# Allegro board FEE5_10_30.brd (continued)
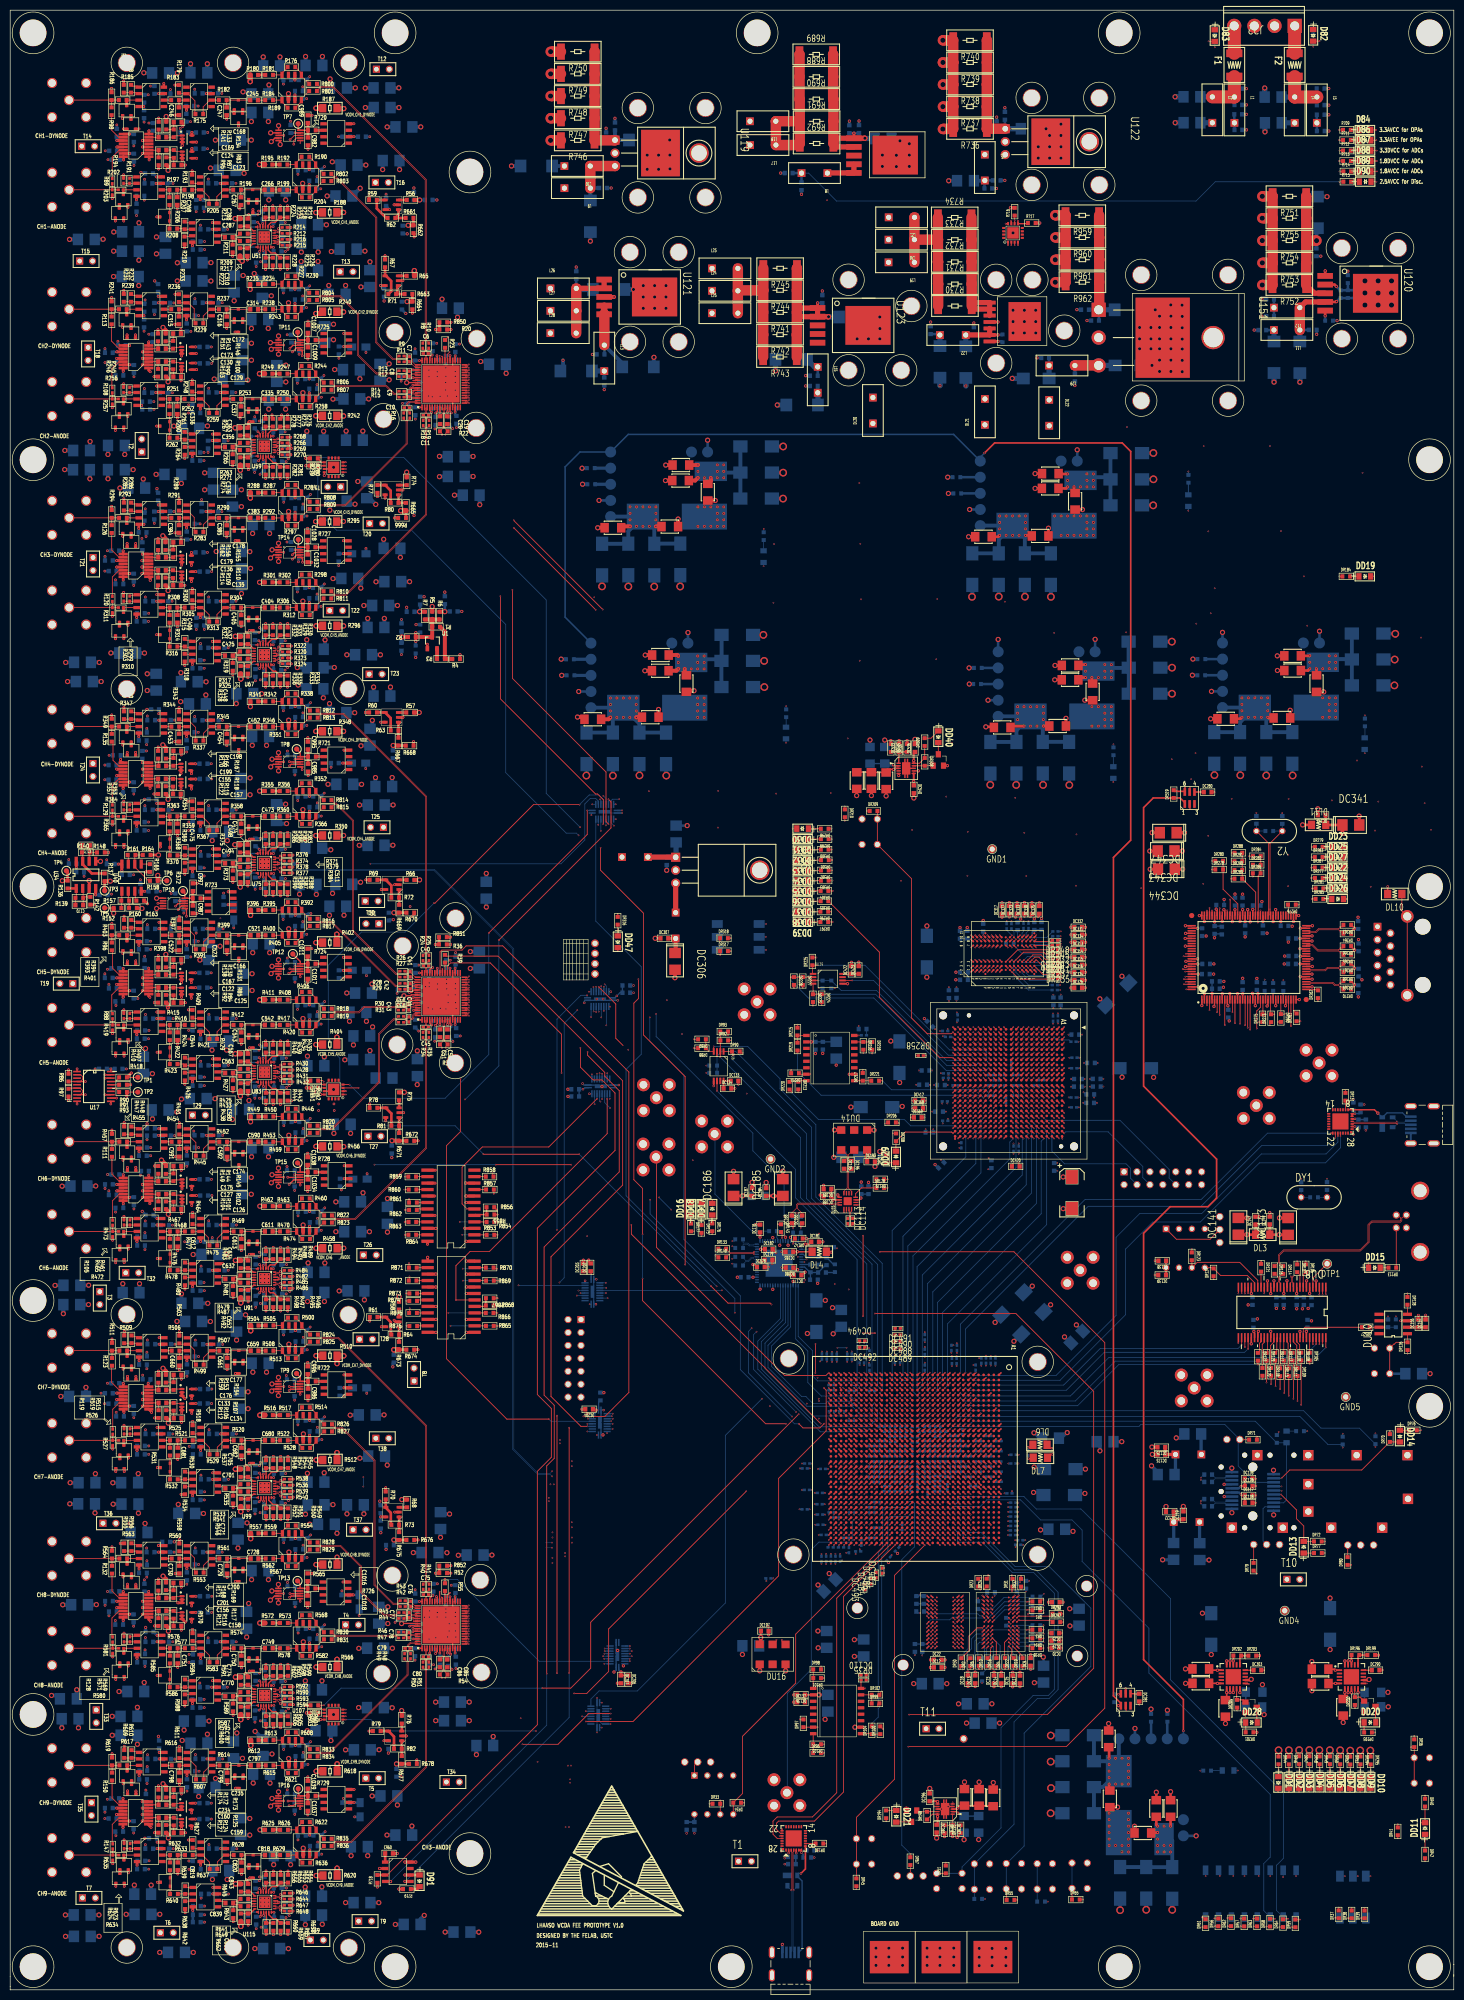
[diagram p0: board, top side]
## Nets (continued)
VBUS_5V_A7_USB_UART: DJ10.1(VBUS) DU11.8(VBUS) DX1.2
VBUS_5V_A7_USB_UART2: DJ11.1(VBUS) DU12.8(VBUS) DX2.2
VCC1V0: DC30.1 DC31.1 DC32.1 DC38.1 DC39.1 DC40.1 DC41.1 DC42.1 DC43.1 DC44.1 DC45.1 DC46.1 DC51.1 DC52.1 DC53.1 DC69.1 DC70.1 DC71.1 DC72.1 DC73.1 DC74.1 DC79.1 DC80.1 DC81.1 DC82.1 DC214.1 DC215.1 DC216.1 DC217.1 DC218.1 DC219.1 DC347.1 DC348.1 DC349.1 DC354.2 DC355.2 DC358.2 DC359.2 DC424.1 DC425.1 DC426.1 DC427.1 DC428.1 DC429.1 DC430.1 DC431.1 DC432.1 DC433.1 DC434.1 DC435.1 DC436.1 DC437.1 DC438.1 DC439.1 DC440.1 DC441.1 DC442.1 DC443.1 DC444.1 DC445.1 DC446.1 DC447.1 DC454.1 DC455.1 DC456.1 DC457.1 DC458.1 DC459.1 DC460.1 DC461.1 DC462.1 DC463.1 DC464.1 DC465.1 DC466.1 DC467.1 DC468.1 DC469.1 DC470.1 DC471.1 DR180.2 DR310.1 DU4.AA15(VCCINT32) DU4.AA17(VCCINT33) DU4.AA19(VCCINT34) DU4.AA21(VCCBRAM10) DU4.AB14(VCCINT35) DU4.AB16(VCCINT36) DU4.AB18(VCCINT37) DU4.AB20(VCCBRAM11) DU4.AC15(VCCINT38) DU4.AC17(VCCINT39) DU4.AC19(VCCINT40) DU4.AC21(VCCBRAM12) DU4.AD14(VCCINT41) DU4.AD16(VCCINT42) DU4.AD18(VCCINT43) DU4.AD20(VCCINT44) DU4.AD22(VCCINT45) DU4.AE15(VCCINT46) DU4.AE17(VCCINT47) DU4.AE19(VCCINT48) DU4.AE21(VCCINT49) DU4.K14(VCCINT1) DU4.K16(VCCINT2) DU4.K18(VCCINT3) DU4.K20(VCCINT4) DU4.L15(VCCINT5) DU4.L17(VCCINT6) DU4.L19(VCCINT7) DU4.L21(VCCINT8) DU4.M14(VCCINT9) DU4.M16(VCCINT10) DU4.M18(VCCINT11) DU4.M20(VCCBRAM1) DU4.N15(VCCINT12) DU4.N17(VCCINT13) DU4.N19(VCCINT14) DU4.N21(VCCBRAM2) DU4.P14(VCCINT15) DU4.P16(VCCINT16) DU4.P18(VCCINT17) DU4.P20(VCCBRAM3) DU4.R15(VCCINT18) DU4.R17(VCCINT19) DU4.R19(VCCINT20) DU4.R21(VCCBRAM4) DU4.T14(VCCINT21) DU4.T16(VCCINT22) DU4.T20(VCCBRAM5) DU4.U15(VCCINT23) DU4.U19(VCCINT24) DU4.U21(VCCBRAM6) DU4.V14(VCCINT25) DU4.V16(VCCINT26) DU4.V20(VCCBRAM7) DU4.W15(VCCINT27) DU4.W19(VCCINT28) DU4.W21(VCCBRAM8) DU4.Y14(VCCINT29) DU4.Y16(VCCINT30) DU4.Y18(VCCINT31) DU4.Y20(VCCBRAM9) DU25.5(VO) DU25.6(+SENCE) DU31.5(SENSE) DU41.2(DVDD_2) DU41.6(DVDD_6) DU41.12(DVDD_12) DU41.17(DVDD_17) DU41.23(DVDD_23) DU41.27(DVDD_27) DU41.78(DVDD_78) DU41.85(DVDD_85) DU41.90(DVDD_90) DU41.96(DVDD_96) DU41.117(DVDD_117) DU41.118(DVDD_118)
VCC1V2: DC272.1 DC273.1 DC276.1 DC277.1 DC278.1 DC279.1 DC366.2 DC367.2 DC368.2 DC369.2 DC370.2 DC371.2 DC372.2 DC373.2 DC374.2 DC375.2 DC376.2 DC377.2 DC378.1 DR190.2 DR313.1 DU30.5(VO) DU30.6(+SENCE) DU37.J8(VCCINT _J8) DU37.J10(VCCINT _J10) DU37.J12(VCCINT _J12) DU37.J14(VCCINT _J14) DU37.K9(VCCINT _K9) DU37.K11(VCCINT _K11) DU37.K13(VCCINT _K13) DU37.L10(VCCINT _L10) DU37.L12(VCCINT _L12) DU37.L14(VCCINT _L14) DU37.M9(VCCINT _M9) DU37.M11(VCCINT _M11) DU37.M13(VCCINT _M13) DU37.N10(VCCINT _N10) DU37.N12(VCCINT _N12) DU37.N14(VCCINT _N14) DU37.P9(VCCINT _P9) DU37.P11(VCCINT _P11) DU37.P13(VCCINT _P13) DU37.R14(VCCINT _R14)
VCC1V5: DC2.2 DC3.2 DC4.2 DC5.2 DC6.1 DC7.2 DC8.2 DC9.2 DC10.2 DC11.1 DC104.1 DC105.1 DC106.1 DC107.1 DC108.1 DC109.1 DC250.1 DC251.1 DC252.1 DC253.1 DC254.1 DC255.1 DC284.1 DC285.1 DC291.1 DC292.1 DC297.1 DC298.1 DC318.1 DC319.1 DC320.1 DC321.1 DC322.1 DC328.1 DC329.1 DC388.1 DC389.2 DC390.2 DC391.2 DC392.2 DC393.2 DC396.2 DC397.2 DC404.2 DC521.1 DC522.1 DC523.1 DC524.1 DC525.1 DC526.1 DC527.1 DC528.1 DC534.1 DC535.1 DR186.2 DR195.1 DR306.1 DR312.1 DSW3.3 DSW3.4 DSW4.3 DSW4.4 DSW5.3 DSW5.4 DSW6.3 DSW6.4 DSW7.9(B8) DSW7.10(B7) DSW7.11(B6) DSW7.12(B5) DSW7.13(B4) DSW7.14(B3) DSW7.15(B2) DSW7.16(B1) DSW8.3 DSW8.4 DSW9.3 DSW9.4 DU1.A2(VDD1) DU1.A9(VDD2) DU1.B9(VDDQ1) DU1.C1(VDDQ2) DU1.D7(VDD3) DU1.E2(VDDQ3) DU1.E9(VDDQ4) DU1.G2(VDD4) DU1.G8(VDD5) DU1.K1(VDD6) DU1.K9(VDD7) DU1.M1(VDD8) DU1.M9(VDD9) DU2.A2(VDD1) DU2.A9(VDD2) DU2.B9(VDDQ1) DU2.C1(VDDQ2) DU2.D7(VDD3) DU2.E2(VDDQ3) DU2.E9(VDDQ4) DU2.G2(VDD4) DU2.G8(VDD5) DU2.K1(VDD6) DU2.K9(VDD7) DU2.M1(VDD8) DU2.M9(VDD9) DU4.G33(VCCO_16_1) DU4.H30(VCCO_16_2) DU4.J27(VCCO_16_3) DU4.K24(VCCO_16_4) DU4.K34(VCCO_16_5) DU4.L31(VCCO_16_6) DU4.M28(VCCO_15_1) DU4.N25(VCCO_15_2) DU4.P32(VCCO_15_3) DU4.R29(VCCO_15_4) DU4.T26(VCCO_15_5) DU4.U33(VCCO_15_6) DU28.5(VO) DU28.6(+SENCE) DU33.5(IN1) DU33.6(IN2) DU33.7(IN3) DU33.8(IN4) DU34.2(VLDOIN) DU35.5(IN1) DU35.6(IN2) DU35.7(IN3) DU35.8(IN4) DU37.C2(VCCO_3 _C2) DU37.F4(VCCO_3 _F4) DU37.G2(VCCO_3 _G2) DU37.J5(VCCO_3 _J5) DU37.L2(VCCO_3 _L2) DU37.L7(VCCO_3 _L7) DU37.N5(VCCO_3 _N5) DU37.R2(VCCO_3 _R2) DU37.U5(VCCO_3 _U5) DU37.W2(VCCO_3 _W2) DU40.A1(VDDQ1) DU40.A8(VDDQ2) DU40.B2(VDD1) DU40.C1(VDDQ3) DU40.C9(VDDQ4) DU40.D2(VDDQ5) DU40.D9(VDD2) DU40.E9(VDDQ6) DU40.F1(VDDQ7) DU40.G7(VDD3) DU40.H2(VDDQ8) DU40.H9(VDDQ9) DU40.K2(VDD4) DU40.K8(VDD5) DU40.N1(VDD6) DU40.N9(VDD7) DU40.R1(VDD8) DU40.R9(VDD9) DU43.2(VLDOIN)
VCC1V8: DC54.1 DC55.1 DC56.1 DC57.1 DC58.1 DC59.1 DC87.1 DC88.1 DC238.1 DC239.1 DC240.1 DC241.1 DC242.1 DC243.1 DC448.1 DC449.1 DC450.1 DC451.1 DC452.1 DC453.1 DC472.1 DC473.1 DC474.1 DC475.1 DC476.1 DC477.1 DC478.1 DC479.1 DC480.1 DC481.1 DC482.1 DC483.1 DL7.2 DR185.2 DR314.1 DU4.AA13(VCCAUX18) DU4.AA23(VCCAUX19) DU4.AB12(VCCAUX20) DU4.AB22(VCCAUX21) DU4.AC13(VCCAUX22) DU4.AC23(VCCAUX23) DU4.AD12(VCCAUX24) DU4.M22(VCCAUX1) DU4.N13(VCCAUX2) DU4.N23(VCCAUX3) DU4.P12(VCCAUX4) DU4.P22(VCCAUX5) DU4.R13(VCCAUX6) DU4.R23(VCCAUX7) DU4.T12(VCCAUX8) DU4.T22(VCCAUX9) DU4.U13(VCCAUX10) DU4.U23(VCCAUX11) DU4.V12(VCCAUX12) DU4.V22(VCCAUX13) DU4.W13(VCCAUX14) DU4.W23(VCCAUX15) DU4.Y12(VCCAUX16) DU4.Y22(VCCAUX17) DU27.5(VO) DU27.6(+SENCE) DU32.5(SENSE)
VCC2V5: DC64.1 DC65.1 DC66.1 DC67.1 DC83.1 DC84.1 DC85.1 DC86.1 DC89.1 DC90.1 DC261.1 DC263.1 DC264.1 DC265.1 DC266.1 DC267.1 DC343.1 DC344.1 DC345.1 DC346.1 DC350.2 DC351.2 DC352.2 DC353.2 DC361.2 DC362.2 DC363.2 DC364.2 DC379.1 DC380.2 DC381.2 DC382.2 DC383.2 DC384.2 DC385.2 DC386.2 DC387.2 DC394.1 DC395.2 DC398.2 DC399.2 DC400.2 DC401.2 DC402.2 DC403.2 DC405.2 DC509.1 DC510.1 DC511.1 DC512.1 DC513.1 DC514.1 DC515.1 DC516.1 DC517.1 DC518.1 DC519.1 DC520.1 DC531.2 DC532.2 DJ14.2 DL11.2 DL21.1 DR189.2 DR259.2 DR260.2 DR277.1 DR278.1 DR279.1 DR281.1 DR282.1 DR283.1 DR285.1 DR287.1 DR288.1 DR315.1 DU4.AC25(VCCO_13_1) DU4.AD32(VCCO_13_2) DU4.AE29(VCCO_13_3) DU4.AF26(VCCO_13_4) DU4.AG33(VCCO_13_5) DU4.AH30(VCCO_13_6) DU4.AJ2(VCCO_32_1) DU4.AJ27(VCCO_12_1) DU4.AK9(VCCO_32_2) DU4.AK34(VCCO_12_2) DU4.AL6(VCCO_32_3) DU4.AL31(VCCO_12_3) DU4.AM3(VCCO_32_4) DU4.AM28(VCCO_12_4) DU4.AN10(VCCO_32_5) DU4.AN25(VCCO_12_5) DU4.AP7(VCCO_32_6) DU4.AP32(VCCO_12_6) DU29.5(VO) DU29.6(+SENCE) DU37.B4(VCCO_0 _B4) DU37.B19(VCCO_0 _B19) DU37.E17(VCCO_0 _E17) DU37.F6(VCCO_0 _F6) DU37.F11(VCCAUX _F11) DU37.G10(VCCO_0 _G10) DU37.G12(VCCAUX _G12) DU37.G14(VCCO_0 _G14) DU37.H9(VCCAUX _H9) DU37.H15(VCCAUX _H15) DU37.K15(VCCAUX _K15) DU37.L8(VCCAUX _L8) DU37.M15(VCCAUX _M15) DU37.N8(VCCAUX _N8) DU37.R6(VCCAUX _R6) DU37.R10(VCCAUX _R10) DU37.R12(VCCAUX _R12) DU37.U11(VCCAUX _U11) DU37.V6(VCCAUX _V6) DU41.5(VDDO_5) DU41.11(VDDO_11) DU41.30(VDDO_30) DU41.34(VDDOX_34) DU41.71(VDDOX_71) DU41.73(VDDOH_73) DU41.82(CONFIG3) DU41.86(CONFIG2) DU41.89(VDDOH_89) DU41.97(VDDOH_97) DU41.122(VDDO_122)
VCC3V3: DC28.1 DC29.1 DC33.1 DC34.1 DC35.1 DC36.1 DC37.1 DC47.1 DC48.1 DC49.1 DC50.1 DC119.1 DC120.1 DC122.1 DC123.1 DC124.1 DC125.1 DC133.1 DC134.1 DC135.1 DC136.1 DC137.2 DC138.1 DC139.1 DC141.1 DC142.1 DC152.1 DC153.1 DC154.1 DC155.1 DC156.1 DC157.1 DC158.1 DC159.1 DC160.2 DC161.2 DC162.2 DC163.2 DC164.1 DC165.1 DC188.1 DC189.1 DC190.1 DC191.1 DC192.1 DC193.1 DC194.1 DC197.1 DC198.1 DC199.1 DC200.1 DC201.1 DC202.1 DC203.1 DC204.1 DC205.1 DC206.1 DC207.1 DC226.1 DC227.1 DC228.1 DC229.1 DC230.1 DC231.1 DC283.1 DC286.1 DC287.1 DC299.1 DC300.1 DC309.1 DC310.1 DC311.2 DC406.2 DC407.2 DC408.2 DC409.2 DC410.2 DC411.2 DC412.2 DC413.2 DC414.2 DC415.2 DC416.2 DC417.2 DC418.2 DC419.2 DC420.2 DC421.2 DC422.1 DC423.1 DC484.1 DC485.1 DC486.1 DC487.1 DC488.1 DC489.1 DC490.1 DC491.1 DC492.1 DC493.1 DC494.1 DC495.1 DC496.1 DC497.1 DC498.1 DC499.1 DC500.1 DC501.1 DC502.1 DC503.1 DC504.1 DC505.1 DC506.1 DC507.1 DC508.1 DC529.1 DC530.1 DC536.1 DC541.1 DC542.1 DJ1.3 DJ2.2 DJ3.3 DJ9.3 DL1.2 DL2.2 DL3.1 DL20.1 DR33.1 DR34.1 DR36.1 DR40.1 DR41.1 DR70.2 DR71.2 DR72.2 DR73.2 DR74.2 DR75.2 DR76.2 DR77.2 DR78.2 DR79.1 DR80.1 DR89.2 DR93.2 DR95.2 DR96.2 DR97.2 DR98.2 DR99.2 DR100.2 DR105.2 DR123.1 DR124.1 DR126.1 DR128.1 DR130.1 DR131.1 DR178.2 DR181.2 DR193.1 DR194.1 DR198.1 DR200.1 DR201.1 DR204.1 DR206.1 DR208.1 DR209.1 DR210.1 DR213.2 DR214.2 DR215.2 DR216.2 DR217.2 DR224.2 DR228.2 DR230.2 DR308.1 DR309.1 DR311.1 DSW1.4 DSW1.5 DSW1.6 DSW13.4 DSW13.5 DSW13.6 DU3.8(VCC) DU4.AA6(VCCO_34_4) DU4.AA31(VCCO_14_5) DU4.AB3(VCCO_34_5) DU4.AB28(VCCO_14_6) DU4.AC10(VCCO_34_6) DU4.AD7(VCCO_33_1) DU4.AE4(VCCO_33_2) DU4.AF1(VCCO_33_3) DU4.AF11(VCCO_33_4) DU4.AG8(VCCO_33_5) DU4.AH5(VCCO_33_6) DU4.F1(VCCO_36_1) DU4.G8(VCCO_36_2) DU4.H5(VCCO_36_3) DU4.J2(VCCO_36_4) DU4.J12(VCCO_36_5) DU4.K9(VCCO_36_6) DU4.L6(VCCO_36_7) DU4.L13(VCCO_0_1) DU4.M3(VCCO_35_1) DU4.M12(CFGBVS_0) DU4.N10(VCCO_35_2) DU4.P7(VCCO_35_3) DU4.R4(VCCO_35_4) DU4.T1(VCCO_35_5) DU4.T11(VCCO_0_2) DU4.U8(VCCO_35_6) DU4.V5(VCCO_34_1) DU4.V30(VCCO_14_1) DU4.W2(VCCO_34_2) DU4.W27(VCCO_14_2) DU4.Y9(VCCO_34_3) DU4.Y24(VCCO_14_3) DU4.Y34(VCCO_14_4) DU6.8(VCC) DU7.2(VCC) DU8.6(VCC1) DU8.18(VCC2) DU8.24(VCC3) DU8.34(VCC4) DU8.39(VCC5) DU8.50(VCC6) DU9.8(VCC) DU10.2(VCC) DU11.5(VIO) DU11.6(VDD) DU11.7(REGIN) DU12.5(VIO) DU12.6(VDD) DU12.7(REGIN) DU14.1(ST/OE) DU14.6(VDD) DU15.7(VCC1) DU15.14(VCC2) DU16.1(ST/OE) DU16.6(VDD) DU17.20(VCC) DU20.20(VCC) DU21.20(VCC) DU24.20(VCC) DU26.5(VO) DU26.6(+SENCE) DU33.10(BIAS) DU33.11(EN) DU34.7(EN) DU34.10(VIN) DU35.10(BIAS) DU35.11(EN) DU37.AA7(VCCO_2 _AA7) DU37.AA11(VCCO_2 _AA11) DU37.AA15(VCCO_2 _AA15) DU37.AA19(VCCO_2 _AA19) DU37.AB3(VCCO_2 _AB3) DU37.C21(VCCO_1 _C21) DU37.E19(VCCO_1 _E19) DU37.G21(VCCO_1 _G21) DU37.J18(VCCO_1 _J18) DU37.L16(VCCO_1 _L16) DU37.L21(VCCO_1 _L21) DU37.N18(VCCO_1 _N18) DU37.R21(VCCO_1 _R21) DU37.T9(VCCO_2 _T9) DU37.T13(VCCO_2 _T13) DU37.U18(VCCO_1 _U18) DU37.V8(VCCO_2 _V8) DU37.V12(VCCO_2 _V12) DU37.V16(VCCO_2 _V16) DU37.W5(VCCO_2 _W5) DU37.W21(VCCO_1 _W21) DU38.2(VCC) DU39.8(VCC) DU43.7(EN) DU43.10(VIN) DU44.20(VCC) DU45.20(VCC) DU46.20(VCC) U127.1(VDD)
VIN5: DC208.1 DC209.1 DC210.1 DC211.1 DC212.1 DC213.1 DC220.1 DC222.1 DC223.1 DC224.1 DC225.1 DC232.1 DC233.1 DC234.1 DC235.1 DC236.1 DC237.1 DC244.1 DC245.1 DC246.1 DC247.1 DC248.1 DC249.1 DC256.1 DC257.1 DC258.1 DC259.1 DC260.1 DC262.1 DC268.1 DC269.1 DC270.1 DC271.1 DC274.1 DC275.1 DL8.1 DL22.2 DR184.1 DR319.2 DR320.2 DTC221.1 DU25.2(VI) DU25.10(TRACK) DU26.2(VI) DU27.2(VI) DU28.2(VI) DU29.2(VI) DU30.2(VI) DU30.10(TRACK) DU31.6(VDD) DU32.6(VDD)
1.8AVCC: C24.2 C25.2 C26.2 C27.2 C28.2 C29.2 C30.2 C31.2 C32.2 C33.2 C34.2 C35.2 C36.2 C37.1 C38.1 C39.1 C58.2 C59.2 C60.2 C61.2 C62.2 C63.2 C64.2 C65.2 C66.2 C67.2 C68.2 C69.2 C70.2 C71.1 C72.1 C73.1 C74.1 C93.2 C94.2 C95.2 C96.2 C97.2 C98.2 C99.2 C100.2 C101.2 C102.2 C103.2 C104.2 C105.2 C106.1 C107.1 C108.1 C109.1 C944.1 C946.1 L15.2 R20.2 R36.2 R52.2 R714.1 U2.1(AVDD_1) U2.4(AVDD_2) U2.7(AVDD_3) U2.8(AVDD_4) U2.11(AVDD_5) U2.12(AVDD_6) U2.37(AVDD_7) U2.42(AVDD_8) U2.45(AVDD_9) U2.48(AVDD_10) U2.51(AVDD_11) U2.59(AVDD_12) U2.62(AVDD_13) U3.1(AVDD_1) U3.4(AVDD_2) U3.7(AVDD_3) U3.8(AVDD_4) U3.11(AVDD_5) U3.12(AVDD_6) U3.37(AVDD_7) U3.42(AVDD_8) U3.45(AVDD_9) U3.48(AVDD_10) U3.51(AVDD_11) U3.59(AVDD_12) U3.62(AVDD_13) U4.1(AVDD_1) U4.4(AVDD_2) U4.7(AVDD_3) U4.8(AVDD_4) U4.11(AVDD_5) U4.12(AVDD_6) U4.37(AVDD_7) U4.42(AVDD_8) U4.45(AVDD_9) U4.48(AVDD_10) U4.51(AVDD_11) U4.59(AVDD_12) U4.62(AVDD_13)
1.8DVCC: C52.1 C53.1 C54.2 C55.1 C56.1 C57.2 C87.1 C88.1 C89.2 C90.1 C91.1 C92.2 C935.1 C936.1 L13.2 R713.1 U3.14(DRVDD_1) U3.35(DRVDD_2) U4.14(DRVDD_1) U4.35(DRVDD_2)
1.8DVCC_16777659: C16.1 C17.1 C18.2 C21.1 C22.1 C23.2 U2.14(DRVDD_1) U2.35(DRVDD_2)
2.5AVCC: C301.1 C302.1 C303.1 C311.1 C370.1 C371.1 C372.1 C380.1 C382.1 C439.1 C440.1 C441.1 C449.1 C451.1 C508.1 C509.1 C510.1 C518.1 C520.2 C577.1 C578.1 C579.1 C587.1 C589.1 C646.1 C647.1 C648.1 C656.1 C658.1 C715.1 C716.1 C717.1 C725.1 C727.1 C784.1 C785.1 C786.1 C794.1 C796.1 C853.1 C854.1 C855.1 C863.1 C865.1 C909.1 C910.2 C911.2 L8.2 R715.1 U51.1(VCCOA1) U51.18(VCCOB1) U51.21(VCCOB2) U51.22(VCCOA2) U59.1(VCCOA1) U59.18(VCCOB1) U59.21(VCCOB2) U59.22(VCCOA2) U67.1(VCCOA1) U67.18(VCCOB1) U67.21(VCCOB2) U67.22(VCCOA2) U75.1(VCCOA1) U75.18(VCCOB1) U75.21(VCCOB2) U75.22(VCCOA2) U83.1(VCCOA1) U83.18(VCCOB1) U83.21(VCCOB2) U83.22(VCCOA2) U91.1(VCCOA1) U91.18(VCCOB1) U91.21(VCCOB2) U91.22(VCCOA2) U99.1(VCCOA1) U99.18(VCCOB1) U99.21(VCCOB2) U99.22(VCCOA2) U107.1(VCCOA1) U107.18(VCCOB1) U107.21(VCCOB2) U107.22(VCCOA2) U115.1(VCCOA1) U115.18(VCCOB1) U115.21(VCCOB2) U115.22(VCCOA2)
2.5DVCC_ADC: C1050.1 C1053.1 L22.2 L24.1 L27.1
2.5DVCC_DIM: DL21.2 L25.1 L28.1
3.3AVCC: C2.2 C3.2 C116.2 C117.2 C118.2 C119.2 C120.2 C121.2 C128.1 C131.1 C132.2 C137.2 C138.2 C139.2 C140.2 C141.2 C142.2 C143.2 C144.2 C145.2 C146.2 C147.2 C148.2 C149.2 C150.2 C151.2 C152.2 C153.2 C154.2 C161.1 C162.1 C163.1 C180.2 C181.2 C182.2 C183.2 C184.2 C185.2 C186.2 C187.2 C188.2 C189.2 C190.2 C191.2 C192.2 C193.2 C194.2 C195.2 C196.2 C197.2 C202.2 C203.2 C204.2 C205.2 C206.2 C207.2 C208.2 C209.2 C210.2 C211.2 C212.2 C213.2 C215.2 C216.2 C217.2 C218.2 C219.2 C220.1 C221.1 C222.1 C248.1 C249.1 C251.1 C252.1 C253.1 C255.1 C269.1 C270.1 C272.1 C273.1 C281.1 C282.1 C289.1 C291.1 C295.1 C296.1 C304.1 C317.1 C318.1 C319.1 C320.1 C321.1 C322.1 C323.1 C324.1 C325.1 C338.1 C339.1 C340.1 C341.1 C342.1 C343.1 C350.1 C351.1 C352.1 C357.1 C358.1 C359.1 C360.1 C361.1 C362.1 C375.1 C386.1 C387.1 C388.1 C389.1 C390.1 C391.1 C392.1 C393.1 C394.1 C407.1 C408.1 C409.1 C410.1 C411.1 C412.1 C419.1 C420.1 C421.1 C426.1 C427.1 C428.1 C429.1 C430.1 C431.1 C444.1 C455.1 C456.1 C457.1 C458.1 C459.1 C460.1 C461.1 C462.1 C463.1 C476.1 C477.1 C478.1 C479.1 C480.1 C481.1 C488.1 C489.1 C490.1 C495.1 C496.1 C497.1 C499.1 C500.1 C501.1 C514.1 C524.1 C525.1 C526.1 C527.1 C528.1 C529.1 C530.1 C531.1 C532.1 C545.1 C546.1 C547.1 C548.1 C549.1 C550.1 C557.1 C558.1 C559.1 C564.1 C565.1 C566.1 C571.1 C572.1 C573.1 C583.1 C593.1 C594.1 C595.1 C596.1 C597.1 C598.1 C599.1 C600.1 C601.1 C614.1 C615.1 C616.1 C617.1 C618.1 C619.1 C626.1 C627.1 C628.1 C633.1 C635.1 C636.1 C637.1 C638.1 C639.1 C651.1 C662.1 C663.1 C664.1 C665.1 C666.1 C667.1 C668.1 C669.1 C670.1 C683.1 C684.1 C685.1 C686.1 C687.1 C688.1 C695.1 C696.1 C697.1 C702.1 C703.1 C704.1 C706.1 C707.1 C708.1 C720.1 C731.1 C732.1 C733.1 C734.1 C735.1 C736.1 C737.1 C738.1 C739.1 C752.1 C753.1 C754.1 C755.1 C756.1 C757.1 C764.1 C765.1 C766.1 C771.1 C772.1 C773.1 C778.1 C779.1 C780.1 C790.1 C800.1 C801.1 C802.1 C803.1 C804.1 C805.1 C806.1 C807.1 C808.1 C821.1 C822.1 C823.1 C824.1 C825.1 C826.1 C833.1 C834.1 C835.1 C840.1 C841.1 C842.1 C844.1 C845.1 C846.1 C858.1 C859.1 C920.1 C962.1 C970.2 C971.2 C972.1 C973.2 C974.2 C975.2 C976.2 C977.1 C978.2 C979.2 C983.1 C988.1 C990.1 C991.1 C992.1 C993.1 C994.1 C998.2 C999.2 C1000.1 C1001.2 C1002.2 C1004.2 C1005.2 C1008.1 C1010.1 C1012.1 C1013.1 C1014.1 C1015.1 C1019.2 C1020.2 C1022.2 C1023.2 C1024.2 C1025.2 C1029.1 C1030.1 C1031.1 C1033.1 C1035.1 C1036.1 L9.2 L10.2 L17.2 R2.1 R218.2 R223.2 R225.2 R227.2 R275.2 R277.2 R279.2 R281.2 R329.2 R331.2 R333.2 R335.2 R382.2 R385.2 R387.2 R389.2 R434.2 R439.2 R441.2 R443.2 R488.2 R493.2 R495.2 R497.2 R544.2 R547.2 R549.2 R551.2 R598.2 R601.2 R603.2 R605.2 R653.2 R655.2 R657.2 R659.2 R709.1 R718.1 R719.2 R1000.2 R1001.2 R1002.2 R1003.2 R1004.2 R1005.2 U5.5(V+) U6.5(V+) U7.5(V+) U8.5(V+) U9.5(V+) U10.5(V+) U11.5(V+) U12.5(V+) U13.5(V+) U14.11(+VSS1) U14.15(+VSS2) U14.16(+VSS3) U15.5(VCC) U16.5(VCC) U17.20(VCC) U18.11(+VSS1) U18.15(+VSS2) U18.16(+VSS3) U19.5(VCC) U20.5(VCC) U21.5(VCC) U22.11(+VSS1) U22.15(+VSS2) U22.16(+VSS3) U23.11(+VSS1) U23.15(+VSS2) U23.16(+VSS3) U24.5(VCC) U25.5(VCC) U26.11(+VSS1) U26.15(+VSS2) U26.16(+VSS3) U27.5(VCC) U28.11(+VSS1) U28.15(+VSS2) U28.16(+VSS3) U29.5(VCC) U30.11(+VSS1) U30.15(+VSS2) U30.16(+VSS3) U31.11(+VSS1) U31.15(+VSS2) U31.16(+VSS3) U32.5(VCC) U33.5(VCC) U34.8(VDD+) U35.5(VCC) U36.11(+VSS1) U36.15(+VSS2) U36.16(+VSS3) U37.5(VCC) U38.5(VCC) U39.5(VCC) U40.8(VDD+) U41.5(VCC) U42.5(VCC) U43.5(VCC) U44.7(VCC) U44.8(PD) U45.7(+VS) U46.3(VCC) U47.7(VCC) U47.8(PD) U48.7(+VS) U49.3(VCC) U50.7(VCC) U50.8(PD) U51.5(VCCIA) U51.14(VCCIB) U52.7(VCC) U52.8(PD) U53.7(+VS) U54.3(VCC) U55.7(VCC) U55.8(PD) U56.3(VCC) U57.7(+VS) U58.7(VCC) U58.8(PD) U59.5(VCCIA) U59.14(VCCIB) U60.7(VCC) U60.8(PD) U61.7(+VS) U62.3(VCC) U63.3(VCC) U64.7(VCC) U64.8(PD) U65.7(+VS) U66.7(VCC) U66.8(PD) U67.5(VCCIA) U67.14(VCCIB) U68.7(VCC) U68.8(PD) U69.7(+VS) U70.3(VCC) U71.3(VCC) U72.7(VCC) U72.8(PD) U73.7(+VS) U74.7(VCC) U74.8(PD) U75.5(VCCIA) U75.14(VCCIB) U76.7(VCC) U76.8(PD) U77.7(+VS) U78.3(VCC) U79.7(VCC) U79.8(PD) U80.7(+VS) U81.3(VCC) U82.7(VCC) U82.8(PD) U83.5(VCCIA) U83.14(VCCIB) U84.7(VCC) U84.8(PD) U85.7(+VS) U86.3(VCC) U87.7(VCC) U87.8(PD) U88.7(+VS) U89.3(VCC) U90.7(VCC) U90.8(PD) U91.5(VCCIA) U91.14(VCCIB) U92.7(VCC) U92.8(PD) U93.7(+VS) U94.3(VCC) U95.7(VCC) U95.8(PD) U96.7(+VS) U97.3(VCC) U98.7(VCC) U98.8(PD) U99.5(VCCIA) U99.14(VCCIB) U100.7(VCC) U100.8(PD) U101.3(VCC) U102.7(+VS) U103.7(VCC) U103.8(PD) U104.7(+VS) U105.3(VCC) U106.7(VCC) U106.8(PD) U107.5(VCCIA) U107.14(VCCIB) U108.7(+VS) U109.7(VCC) U109.8(PD) U110.3(VCC) U111.7(+VS) U112.3(VCC) U113.7(VCC) U113.8(PD) U114.7(VCC) U114.8(PD) U115.5(VCCIA) U115.14(VCCIB) U126.8(VDD) U128.9(VDD) U129.9(VDD) U130.9(VDD) U131.9(VDD) U132.2(VIN) U133.2(VIN) U134.2(VIN) U135.2(VIN) U136.9(VDD) U137.9(VDD) U138.9(VDD) U139.2(VIN) U140.2(VIN) U141.2(VIN) U142.9(VDD) U143.9(VDD) U144.9(VDD) U145.2(VIN) U146.2(VIN) U147.2(VIN) U152.12(VDD) U153.12(VDD) U154.12(VDD)
3.3AVEE: C164.2 C165.2 C223.2 C224.2 C225.2 C226.2 C227.2 C228.2 C229.2 C230.2 C231.2 C232.2 C233.2 C236.2 C237.2 C238.2 C239.2 C240.2 C241.2 C242.2 C243.2 C244.2 C257.1 C258.1 C259.2 C260.1 C261.1 C263.1 C264.1 C275.1 C276.1 C278.1 C279.1 C284.1 C285.1 C292.1 C293.1 C298.1 C299.1 C326.1 C327.1 C328.1 C329.1 C330.2 C331.1 C332.1 C333.2 C334.2 C344.1 C345.1 C346.2 C347.1 C348.1 C349.2 C353.1 C354.1 C355.2 C364.1 C365.1 C366.2 C367.1 C368.1 C369.2 C379.2 C395.1 C396.1 C397.2 C398.1 C399.1 C400.2 C401.1 C402.1 C403.2 C413.1 C414.1 C415.2 C416.1 C417.1 C418.2 C422.1 C423.1 C424.2 C433.1 C434.1 C435.2 C436.1 C437.1 C438.2 C445.1 C447.2 C464.1 C465.1 C466.2 C467.1 C468.1 C469.1 C470.1 C471.2 C472.2 C482.1 C483.1 C484.2 C485.1 C486.1 C487.2 C491.1 C492.1 C493.2 C502.1 C503.1 C504.2 C505.1 C506.1 C507.2 C515.1 C517.2 C533.1 C534.1 C535.1 C536.1 C537.2 C538.1 C539.1 C540.2 C541.2 C551.1 C552.1 C553.2 C554.1 C555.1 C556.2 C560.1 C561.1 C562.2 C568.1 C569.1 C570.2 C574.1 C575.1 C576.2 C585.1 C602.1 C603.1 C604.2 C605.1 C606.1 C607.2 C608.1 C609.1 C610.2 C620.1 C621.1 C622.2 C623.1 C624.1 C625.2 C629.1 C630.1 C631.2 C640.1 C641.1 C642.2 C643.1 C644.1 C645.2 C653.1 C654.1 C655.2 C671.1 C672.1 C673.2 C674.1 C675.1 C676.2 C677.1 C678.1 C679.2 C689.1 C690.1 C691.2 C692.1 C693.1 C694.2 C698.1 C699.1 C700.2 C709.1 C710.1 C711.2 C712.1 C713.1 C714.2 C722.1 C723.1 C724.2 C740.1 C741.1 C742.2 C743.1 C744.1 C745.1 C746.1 C747.2 C748.2 C758.1 C759.1 C760.2 C761.1 C762.1 C763.2 C767.1 C768.1 C769.2 C775.1 C776.1 C777.2 C781.1 C782.1 C783.2 C791.1 C792.1 C793.2 C809.1 C810.1 C811.2 C812.1 C813.1 C814.1 C815.1 C816.2 C817.2 C827.1 C828.1 C829.2 C830.1 C831.1 C832.2 C836.1 C837.1 C838.2 C847.1 C848.1 C849.2 C850.1 C851.1 C852.2 C860.1 C861.1 C862.2 C926.2 C927.2 D86.2(CATHODE) L11.2 L12.2 U14.8(-VSS1) U14.9(-VSS2) U14.13(-VSS3) U18.8(-VSS1) U18.9(-VSS2) U18.13(-VSS3) U22.8(-VSS1) U22.9(-VSS2) U22.13(-VSS3) U23.8(-VSS1) U23.9(-VSS2) U23.13(-VSS3) U26.8(-VSS1) U26.9(-VSS2) U26.13(-VSS3) U28.8(-VSS1) U28.9(-VSS2) U28.13(-VSS3) U30.8(-VSS1) U30.9(-VSS2) U30.13(-VSS3) U31.8(-VSS1) U31.9(-VSS2) U31.13(-VSS3) U34.4(VDD-) U36.8(-VSS1) U36.9(-VSS2) U36.13(-VSS3) U40.4(VDD-) U44.4(VEE) U45.4(-VS) U46.6(VEE) U47.4(VEE) U48.4(-VS) U49.6(VEE) U50.4(VEE) U51.4(VEEA) U51.15(VEEB) U51.25(TAB(VEE)) U52.4(VEE) U53.4(-VS) U54.6(VEE) U55.4(VEE) U56.6(VEE) U57.4(-VS) U58.4(VEE) U59.4(VEEA) U59.15(VEEB) U59.25(TAB(VEE)) U60.4(VEE) U61.4(-VS) U62.6(VEE) U63.6(VEE) U64.4(VEE) U65.4(-VS) U66.4(VEE) U67.4(VEEA) U67.15(VEEB) U67.25(TAB(VEE)) U68.4(VEE) U69.4(-VS) U70.6(VEE) U71.6(VEE) U72.4(VEE) U73.4(-VS) U74.4(VEE) U75.4(VEEA) U75.15(VEEB) U75.25(TAB(VEE)) U76.4(VEE) U77.4(-VS) U78.6(VEE) U79.4(VEE) U80.4(-VS) U81.6(VEE) U82.4(VEE) U83.4(VEEA) U83.15(VEEB) U83.25(TAB(VEE)) U84.4(VEE) U85.4(-VS) U86.6(VEE) U87.4(VEE) U88.4(-VS) U89.6(VEE) U90.4(VEE) U91.4(VEEA) U91.15(VEEB) U91.25(TAB(VEE)) U92.4(VEE) U93.4(-VS) U94.6(VEE) U95.4(VEE) U96.4(-VS) U97.6(VEE) U98.4(VEE) U99.4(VEEA) U99.15(VEEB) U99.25(TAB(VEE)) U100.4(VEE) U101.6(VEE) U102.4(-VS) U103.4(VEE) U104.4(-VS) U105.6(VEE) U106.4(VEE) U107.4(VEEA) U107.15(VEEB) U107.25(TAB(VEE)) U108.4(-VS) U109.4(VEE) U110.6(VEE) U111.4(-VS) U112.6(VEE) U113.4(VEE) U114.4(VEE) U115.4(VEEA) U115.15(VEEB) U115.25(TAB(VEE))
3.3DVCC_ADC: C937.1 C938.2 C940.2 C1105.1 C1106.1 L14.2 L20.2 L23.1 L26.1 L29.2 R712.1 R716.2 R717.2 R855.1 R867.1 U125.12(VDD) U148.3(VCC1) U148.10(VCC2) U148.15(VCC4) U148.22(VCC3) U149.3(VCC1) U149.10(VCC2) U149.15(VCC4) U149.22(VCC3)
3.3DVCC_DIM: DL20.2 L19.2
5AVCC_IN: C887.1 C888.1 C889.1 DL22.1 L1.2 L2.2 L18.2 L21.2 R708.1 R736.1 R737.1 R738.1 R739.1 R740.1 R746.1 R747.1 R748.1 R749.1 R750.1 R959.1 R960.1 R961.1 R962.1
5AVEE_IN: C899.2 C900.1 C901.1 D82.2(CATHODE) L4.2 L5.2 R751.1 R752.1 R753.1 R754.1 R755.1
/LVDS_ADC1_CLK: C20.2 DR170.1 R22.2
/LVDS_ADC2_CLK: C51.2 DR140.1 R38.2
/LVDS_ADC3_CLK: C86.2 DR151.1 R54.2
/SYNC_DAC1: DU4.Y25(IO_L5N_T0_D07_14) DU17.15(2A2)
/SYNC_DAC1_BUF: DU17.5(2Y2) U128.6(\S\Y\N\C\)
/SYNC_DAC2: DU4.AA27(IO_L20P_T3_A08_D24_14) DU21.6(1A2)
/SYNC_DAC2_BUF: DU21.14(1Y2) U136.6(\S\Y\N\C\)
/SYNC_DAC3: DU4.AB29(IO_L22N_T3_A04_D20_14) DU24.6(1A2)
/SYNC_DAC3_BUF: DU24.14(1Y2) U142.6(\S\Y\N\C\)
/SYNC_DAC4: DU4.AB31(IO_L14P_T2_SRCC_14) DU24.4(1A1)
/SYNC_DAC4_BUF: DU24.16(1Y1) U129.6(\S\Y\N\C\)
/SYNC_DAC5: DU4.W28(IO_L4P_T0_D04_14) DU21.2(1A0)
/SYNC_DAC5_BUF: DU21.18(1Y0) U137.6(\S\Y\N\C\)
/SYNC_DAC6: DU4.AC29(IO_L19N_T3_A09_D25_VREF_) DU24.8(1A3)
/SYNC_DAC6_BUF: DU24.12(1Y3) U143.6(\S\Y\N\C\)
/SYNC_DAC7: DU4.V31(IO_L7P_T1_D09_14) DU21.4(1A1)
/SYNC_DAC7_BUF: DU21.16(1Y1) U130.6(\S\Y\N\C\)
/SYNC_DAC8: DU4.AA29(IO_L22P_T3_A05_D21_14) DU20.11(2A0)
/SYNC_DAC8_BUF: DU20.9(2Y0) U138.6(\S\Y\N\C\)
/SYNC_DAC9: DU4.W30(IO_L11P_T1_SRCC_14) DU20.17(2A3)
/SYNC_DAC9_BUF: DU20.3(2Y3) U144.6(\S\Y\N\C\)
/SYNC_DAC_CALIB: DU4.AA25(IO_L23N_T3_A02_D18_14) DU20.15(2A2)
/SYNC_DAC_CALIB_BUF: DU20.5(2Y2)
